# Altium PCB HV_Module_6W.PCBDOC (part 4 of 4) (continued)
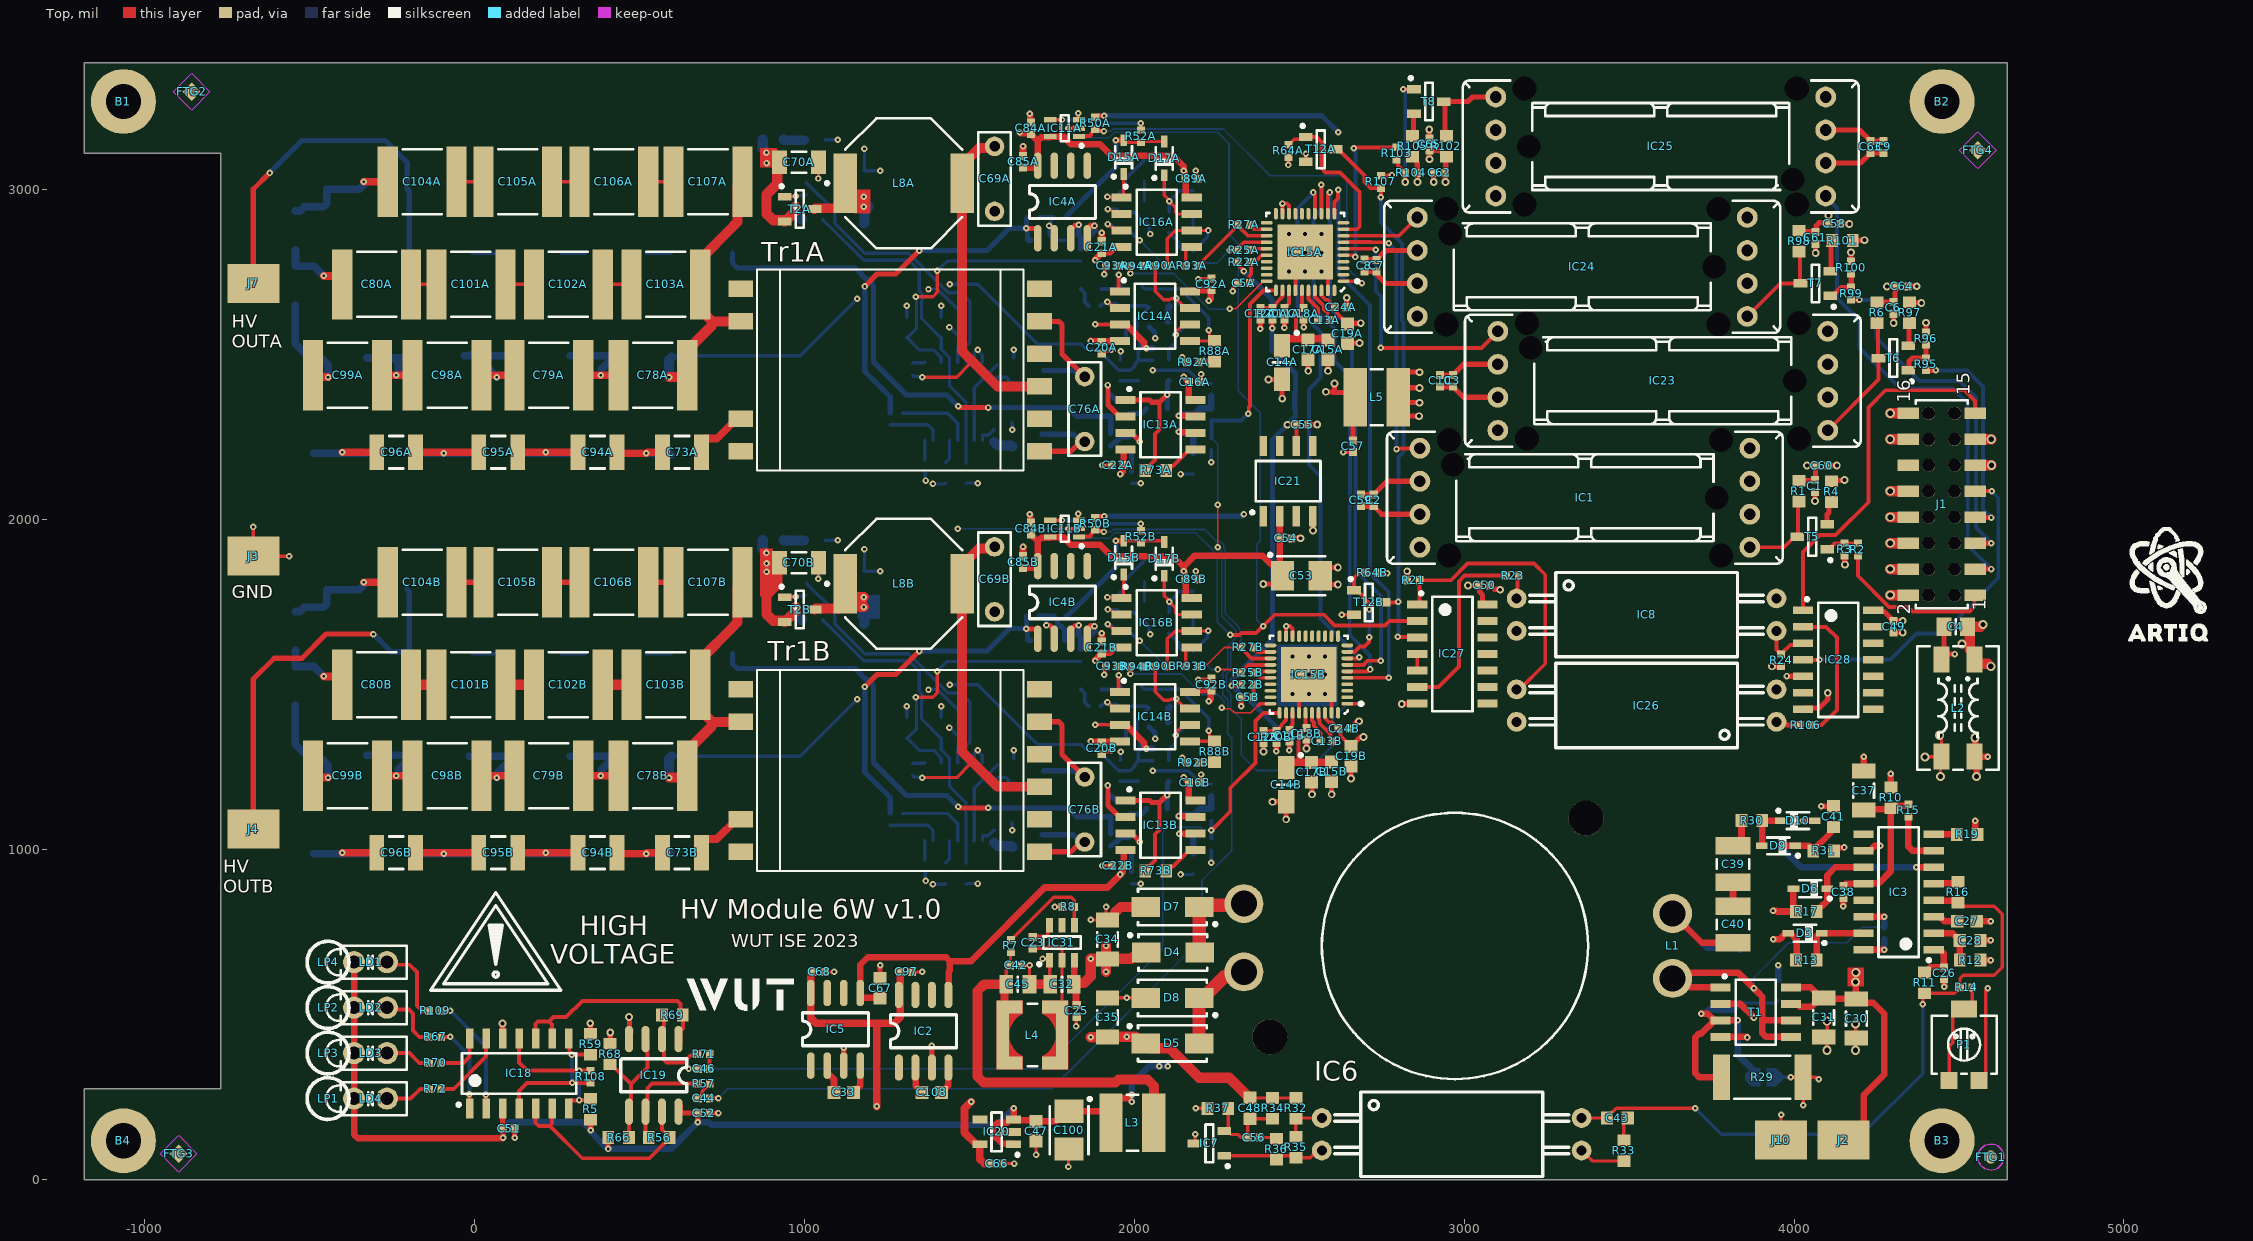
[diagram p0: Top view]
## Nets (pads, with @x,y where several pads share a name; then routed paths per layer and width w, separated by ;. In a path a pad name is that pad's centre, name@x,y a point inside that pad or via, vN(x,y) a via of type N, cw(c..) or ccw(c..) an arc to the next point about the centre after c; other vN are vias at no path point) (continued)
NetR75A_1: R75A.1 R77A.2 | length 72.8
  Bot w10: R75A.1@263.78,2808.07 R77A.2@336.61,2808.07
NetR75A_2: R75A.2 R76A.1 | length 84.6
  Bot w10: R76A.1@-5.91,2808.07 R75A.2@78.74,2808.07
NetR75B_1: R75B.1 R77B.2 | length 72.8
  Bot w10: R75B.1@263.78,1594.49 R77B.2@336.61,1594.49
NetR75B_2: R75B.2 R76B.1 | length 84.6
  Bot w10: R76B.1@-5.91,1594.49 R75B.2@78.74,1594.49
NetR77A_1: R77A.1 R81A.2 | length 75.9
  Bot w10: R77A.1@521.65,2808.07 R81A.2@597.52,2808.07
NetR77B_1: R77B.1 R81B.2 | length 75.9
  Bot w10: R77B.1@521.65,1594.49 R81B.2@597.52,1594.49
NetR79A_2: R79A.2 R82A.1 | length 60.8
  Bot w11.81: R79A.2@1838.58,2699.8 1850.39,2687.99 1850.39,2660.29 1861.42,2649.27 R82A.1@1861.42,2648.48
NetR79B_2: R79B.2 R82B.1 | length 60.8
  Bot w11.81: R79B.2@1838.58,1486.22 1850.39,1474.41 1850.39,1446.71 1861.42,1435.68 R82B.1@1861.42,1434.9
NetR83A_2: R83A.2 R86A.1 | length 48.1
  Bot w20: R86A.1@2102.61,2600.98 2103.11,2601.48 2103.11,2641.79 2106.17,2644.86 2106.17,2645.64 R83A.2@2107.59,2647.06
NetR83B_2: R83B.2 R86B.1 | length 48.1
  Bot w20: R86B.1@2102.61,1387.4 2103.11,1387.9 2103.11,1428.21 2106.17,1431.27 2106.17,1432.06 R83B.2@2107.59,1433.48
NetR88A_1: R88A.1 R92A.2 | length 48
  Top w19.68: R92A.2@2197.24,2477.56 2197.24,2478.02 2198.82,2479.59 R88A.1@2244.09,2479.59
NetR88B_1: R88B.1 R92B.2 | length 48
  Top w19.68: R92B.2@2197.24,1263.98 2197.24,1264.43 2198.82,1266.01 R88B.1@2244.09,1266.01
NetR91A_1: R91A.1 R111A.2 | length 51.9
  Bot w11.81: R111A.2@1974.93,2542.26 1974.93,2592.62 R91A.1@1975.98,2593.68
NetR91B_1: R91B.1 R111B.2 | length 51.9
  Bot w11.81: R111B.2@1974.93,1328.68 1974.93,1379.04 R91B.1@1975.98,1380.09
NetR95_1: R95.1 R96.2 T6.1 | length 124.5
  Top w15.75: T6.1@4346.46,2452.76 4346.46,2455.71 4348.43,2457.68 4348.43,2480.54 4357.65,2489.76 R95.1@4399.61,2489.76 R96.2@4399.61,2530.71
NetR97_2: R97.2 T6.2 | length 70.5
  Top w15.75: T6.2@4346.46,2527.56 4348.43,2529.53 4348.43,2594.49 R97.2@4350.39,2596.46
NetR99_1: R99.1 R100.2 T7.1 | length 115.2
  Top w15.75: T7.1@4110.24,2679.13 4118.11,2679.13 4143.31,2704.33 R99.1@4173.23,2704.33 R100.2@4173.23,2746.06
NetR101_2: R101.2 T7.2 | length 94.5
  Top w15.75: T7.2@4110.24,2753.94 4112.2,2755.91 4112.2,2843.23 R101.2@4115.34,2846.36
NetR103_1: R103.1 R104.2 T8.1 | length 390.9
  Top w11.81: R103.1@2795.28,3091.73 2796.06,3091.73 2799.61,3088.19 2799.61,3073.62 2821.26,3051.97 R104.2@2821.26,3051.18 2821.56,3050.88 2821.56,3023.87 v2(2821.85,3023.57) ; v3@2815.84,3305.07 T8.1@2842.85,3305.07
  Top w15.75: v3(2815.54,3304.77) v3@2815.84,3305.07
  Bot w11.81: v3(2815.54,3304.77) 2815.54,3302.64 2821.85,3296.33 v2(2821.85,3023.57)
NetR105_2: R105.2 T8.2 | length 69
  Top w15.75: R105.2@2844.49,3162.99 2846.46,3164.96 2846.46,3228.35 T8.2@2848.43,3230.31
P3V3: C1.2 C6.2 C9.2 C49.1 C58.2 C60.2 C61.2 C63.1 C64.2 IC8.4 IC25.6 IC28.14 J1.11 R1.2 R6.2 R98.2 | length 726
  Top w15.75: R1.2@4014.57,2118.28 4015.47,2119.18 4062.09,2119.18 C1.2@4062.99,2120.08 4064.96,2122.05 4064.96,2162.69 C60.2@4066.93,2164.66 4039.92,2164.66 v2(4039.62,2164.36) ; R98.2@4015.75,2875.98 4017.72,2874.02 4062.99,2874.02 C61.2@4064.96,2872.05 4067.3,2874.39 4067.3,2891.41 4076.53,2900.64 4104.87,2900.64 4104.87,2922.67 v2(4104.79,2922.75) ; IC25.6@4096.06,3181.5 4198.43,3181.5 C63.1@4232.28,3147.64 C9.2@4271.65,3147.64 ; IC28.14@4240.16,1725.79 4244.09,1721.85 4273.62,1721.85 C49.1@4301.97,1693.5 4302.26,1693.8 4329.28,1693.8 v2(4329.57,1694.1) ; R6.2@4251.97,2659.45 4252.25,2659.73 4301.09,2659.73 C6.2@4301.37,2660 4305.7,2664.33 C64.2@4305.7,2707.64 ; v2(4282,2707.34) 4282.29,2707.64 C64.2@4305.7,2707.64 ; C64.2@4309.3,2707.64 C64.2@4305.7,2707.64
  Top w31.5: J1.11@4548.79,2165.52 v4(4598.13,2165.52)
P3V3Ap: C19A.2 C19B.2 C24A.2 C24B.2 C57.2 IC15A.38 IC15B.38 L5.2 R50A.2 R50B.2 | length 2027.8
  Top w11.81: IC15A.38@2567.72,2695.51 2567.72,2679.61 2580.44,2666.89 2586.5,2666.89 C24A.2@2609.05,2644.33 2615.35,2638.03 2615.35,2625.21 C19A.2@2646.46,2594.11 C19A.2@2657.32,2604.97 ; IC15B.38@2578.74,1414.96 2578.74,1399.06 2591.46,1386.34 2600.16,1386.34 C24B.2@2618.91,1367.59 ; C24B.2@2619.08,1367.42 2625.38,1361.12 2625.38,1345.66 C19B.2@2657.48,1313.56
  Top w15.75: R50B.2@1882.32,2006.69 1885.85,2010.23 1908.7,2010.23 v1(1909.45,2010.98) ; R50A.2@1882.32,3220.28 1885.85,3223.81 1908.7,3223.81 v1(1909.45,3224.57) ; v2@2581.76,2387.25 2606.91,2387.25 2606.91,2412.4 v2(2607.53,2413.02) ; 2605.2,2386.02 2679.26,2386.02 L5.2@2680.06,2386.82 ; C19A.2@2659.64,2595.66 v2@2686.65,2595.66 ; C19B.2@2663.33,1313.56 2663.33,1319.41 2684.11,1340.18 2694.08,1340.18 v2(2695.59,1341.69) ; C57.2@2663.3,2240.36 2663.3,2364.29 L5.2@2670.28,2371.26 ; v2(2686.95,2595.95) v2@2686.95,2598.09
  L2 w15.75: v1(2333.07,2017.4) 2487.74,2017.4 ; v1(2619.09,3174.3) 2619.09,3144.6 2619.4,3144.29
  Bot w15.75: v1(1909.45,2010.98) 2325.59,2010.98 2332.01,2017.4 v1(2333.07,2017.4) ; v1(1909.45,3224.57) 2568.83,3224.57 v1(2619.09,3174.3)
  other v2: 2581.14,2387.87
P3V3p: C2.1 C3.1 C7.1 C8.2 C10.2 C50.1 C59.2 C62.2 C65.2 C66.2 C68.1 C97.1 IC1.6 IC2.8 IC5.8 IC20.5 IC23.6 IC24.6 IC26.4 IC27.14 L5.1 R102.2 R107.2 | length 3880
  Top w15.75: C59.2@2687.18,2041.34 C2.1@2726.38,2041.34 2750.79,2016.93 IC1.6@2866.14,2016.93 ; C8.2@2698.07,2752.95 2698.25,2752.77 2735.06,2752.77 C7.1@2735.24,2752.6 ; C7.1@2726.38,2752.6 2762.44,2716.54 IC24.6@2858.27,2716.54 ; R107.2@2748.03,3042.38 2778.93,3042.38 v3(2781.5,3044.94) ; 2837.41,2314.77 2862.56,2314.77 v2(2863.18,2314.15) ; 2838.89,2355.32 2864.04,2355.32 v2(2864.66,2354.7) ; 2839.19,2400.31 2864.34,2400.31 v2(2864.96,2399.69) ; 2839.19,2447.84 2864.34,2447.84 v2(2864.96,2447.22) ; v2(2894.98,3092.77) 2894.68,3093.07 C65.2@2894.68,3120.08 2925.03,3120.08 2934.25,3110.85 2934.25,3109.84 2944.09,3100 R102.2@2946.06,3100 2944.49,3098.43 2944.49,3052.76 C62.2@2942.91,3051.18 2943.21,3050.88 2943.21,3023.87 v2(2943.51,3023.57) ; C10.2@2927.2,2402.8 2927.57,2403.17 2965.77,2403.17 C3.1@2966.14,2403.54 2998.43,2371.26 IC23.6@3102.36,2371.26 ; v2(3011.81,1801.18) C50.1@3043.31,1801.18 3047.64,1796.85 3047.64,1781.1 3056.1,1772.64 3056.1,1747.64 3060.04,1743.7 IC27.14@3070.87,1743.7
  Top w23.62: C68.1@1027.56,629.92 1020.15,622.51 1020.15,565.98 IC5.8@1020.08,565.91 1020.08,490.01 1035.75,474.35 1220.02,474.35 ; v1(1219.79,222.24) 1220.02,222.48 1220.02,474.35 ; C97.1@1291.34,629.92 1291.34,492.51 1273.17,474.35 1220.02,474.35 ; v1(1505.91,236.22) 1486.22,216.54 1486.22,142.91 1521.65,107.48 IC20.5@1532.48,107.48 1532.48,63.05 1545.92,49.61 1565.55,49.61 C66.2@1565.94,49.21 ; L5.1@2800.2,2424.41 L5.1@2800.2,2371.26 2800.2,2364.3 L5.1@2823.82,2340.68
  L2 w23.62: v1(1219.79,222.24) 1491.93,222.24 v1(1505.91,236.22) 1567.83,298.15 2109.17,298.15 2165.35,354.33 2165.35,836.22 2262.59,933.46 2392.33,933.46
P5V0Ap: C16A.2 C16B.2 C47.2 C51.2 C52.2 C53.1 C54.2 C84A.2 C84B.2 C85A.2 C85B.2 C89A.2 C89B.2 C92A.2 C92B.2 C100.1 IC4A.8 IC4B.8 IC11A.5 IC11B.5 IC13A.8 IC13B.8 IC14A.8 IC14B.8 IC16A.8 IC16B.8 IC18.3 IC19.8 IC20.1 IC20.3 IC21.2 L3.2 LD1.2 LD2.2 LD3.2 LD4.2 R5.2 R66.2 | length 9160.5
  Top w15.75: IC18.3@86.34,215.75 86.74,215.35 86.74,155.12 C51.2@87.13,154.72 87.13,127.71 v3(87.43,127.42) ; R5.2@353.34,177.85 353.34,150.84 v3(353.64,150.54) ; R66.2@405.59,120.63 405.59,93.61 v3(405.89,93.32) ; IC19.8@624.73,227.56 624.73,205.61 628.37,201.97 C52.2@677.68,201.97 677.68,174.96 v3(677.98,174.66) ; v2(2391.36,1805.25) 2391.66,1805.55 C53.1@2418.43,1805.55
  Top w19.68: LD1.2@-364.17,659.45 LD2.2@-364.17,521.65 LD3.2@-364.17,383.86 LD4.2@-364.17,246.06 -364.17,137.52 -352.64,125.98 86,125.98 v3(87.43,127.42) ; IC20.1@1634.84,107.48 1632.87,109.45 1600.49,109.45 1572.53,137.41 1572.53,157.86 1586.99,172.32 1614.05,172.32 1622.05,180.32 1632.87,180.32 IC20.3@1634.84,182.29 ; v1(1634.84,216.54) IC20.3@1634.84,182.29 ; v1(1653.54,3174.3) 1656.19,3171.65 1684.84,3171.65 C84A.2@1687.2,3169.29 1708.07,3148.43 ; C85B.2@1663.39,1854.13 1706.08,1854.13 1708.07,1856.13 IC4B.8@1708.07,1859.76 1708.07,1934.84 ; C85A.2@1663.39,3067.72 1706.08,3067.72 1708.07,3069.71 IC4A.8@1708.07,3073.35 1708.07,3148.43 ; C84B.2@1687.2,1955.71 1708.07,1934.84 ; L3.2@1929.91,173.15 L3.2@1929.91,181.74 ; v1(1992.32,257.97) 1981.91,247.56 1955.5,247.56 1929.91,221.97 L3.2@1929.91,181.74 ; v1(2150.2,1219.53) 2150.35,1219.53 C16B.2@2165.94,1203.94 2165.94,1151.45 2167.94,1149.45 IC13B.8@2186.65,1149.45 ; v1(2150.2,2433.11) 2150.35,2433.11 C16A.2@2165.94,2417.52 2165.94,2365.03 2167.94,2363.03 IC13A.8@2186.65,2363.03 ; IC14B.8@2169.88,1478.54 2171.85,1480.51 2194.49,1480.51 2196.85,1482.87 C92B.2@2234.25,1482.87 2231.89,1480.51 2231.89,1455.72 v1(2226.78,1450.62) ; IC14A.8@2169.88,2692.13 2171.85,2694.09 2194.49,2694.09 2196.85,2696.46 C92A.2@2234.25,2696.46 2231.89,2694.09 2231.89,2669.31 v1(2226.78,2664.2) ; IC16B.8@2174.8,1762.99 2158.07,1762.99 2156.1,1764.96 C89B.2@2156.1,1819.88 2153.74,1822.24 2153.74,1840.99 v1(2150.2,1844.54) 2150.2,1857.71 ; IC16A.8@2174.8,2976.57 2158.07,2976.57 2156.1,2978.54 C89A.2@2156.1,3033.46 2153.74,3035.83 2153.74,3054.57 v1(2150.2,3058.12) 2150.2,3071.29 2118.34,3103.15 1931.31,3103.15 1895.76,3138.7 1808.03,3138.7 1799.33,3147.4 1799.33,3148.31 1786.22,3161.42 IC11A.5@1746.26,3161.42 1744.29,3159.45 1719.09,3159.45 1708.07,3148.43 ; IC21.2@2441.63,2010.87 C54.2@2441.63,1943.96 C53.1@2441.63,1847.55 ; C53.1@2449.61,1830.71 2449.61,1839.57 C53.1@2441.63,1847.55 ; IC20.3@1634.84,182.29 1636.81,180.32 1699.6,180.32 C47.2@1702.76,177.17 1763.85,177.17 1794.02,207.33 C100.1@1802.88,207.33 1904.32,207.33 L3.2@1929.91,181.74 ; 1708.07,1934.84 1719.09,1945.87 1744.29,1945.87 IC11B.5@1746.26,1947.83 1786.22,1947.83 1799.33,1934.72 1799.33,1933.81 1808.03,1925.12 1895.76,1925.12 1931.31,1889.57 2118.34,1889.57 2150.2,1857.71 ; 2150.2,1857.71 2184.22,1891.73 2388.58,1891.73 2415.16,1865.16 2424.02,1865.16 C53.1@2441.63,1847.55
  L2 w19.68: v1(2076.77,344.49) v1(2101.59,344.49) 2126.49,369.38 2126.49,866.65 2175.2,915.35 2175.2,1148.86 2150.2,1173.86 v1(2150.2,1219.53) 2150.2,1226.65 2165.35,1241.81 2165.35,1243.12 2199.88,1277.64 2199.88,1338 2187.2,1350.67 2187.2,1411.04 v1@2226.38,1450.21 ; v1(2150.2,3058.12) 2150.2,3015.77 2165.35,3000.61 2165.35,2723.94 2197.85,2691.45 2198.72,2691.45 v1@2226.38,2663.79 ; v1(2226.78,1450.62) v1@2226.38,1450.21 ; v1(2226.78,2664.2) v1@2226.38,2663.79 ; v1@2226.38,1450.21 2198.72,1477.87 2197.85,1477.87 2165.35,1510.36 2165.35,1787.03 2150.2,1802.19 v1(2150.2,1844.54) 2150.2,2044.85 2187.2,2081.86 2187.2,2396.1 v1(2150.2,2433.11) 2150.2,2440.24 2165.35,2455.39 2165.35,2456.7 2187.2,2478.55 2187.2,2624.62 v1@2226.38,2663.79
  Bot w19.68: v3(87.43,127.42) 87.43,156.1 105.99,174.66 329.52,174.66 v3(353.64,150.54) 353.64,145.57 v3(405.89,93.32) 596.64,93.32 v3(677.98,174.66) 711.17,174.66 718.5,167.32 1581.99,167.32 1586.99,172.32 1590.63,172.32 v1(1634.84,216.54) ; v1(1992.32,236.22) 1992.32,290.9 2045.91,344.49 v1(2101.59,344.49)
P5V0p: C42.2 C45.2 L3.1 L4.2 R7.2 | length 1281.2
  Top w10: C45.2@1612.2,592.52 1612.2,637.8 C42.2@1624.02,649.61 1625.22,650.81 1625.22,688.95 R7.2@1626.43,690.16
  Top w23.62: L4.2@1602.36,438.71 1607.28,443.63 1607.28,587.6 C45.2@1612.2,592.52
  Top w30: C45.2@1612.2,592.52 1545.92,592.52 1525.59,572.19 1525.59,312.53 1543.16,294.96 1943.67,294.96 1953.06,304.35 2040.14,304.35 2059.83,284.65 L3.1@2059.83,173.15
P12V0: C4.2 J1.6 J1.8 J1.10 L2.1 | length 357.8
  Top w31.5: v4(4291.77,1929.3) J1.6@4346.03,1929.3 ; v4(4291.77,2008.04) J1.8@4346.03,2008.04 ; v4(4291.77,2086.78) J1.10@4346.03,2086.78 ; v4@4565.13,1675.79 C4.2@4525.59,1675.79 4532.48,1668.9 4532.48,1607.68 4547.05,1593.11 L2.1@4547.05,1577.36 4547.05,1572.05 4554.92,1564.17 v4@4586.61,1564.17
  other v4: 4596.46,1556 4509.45,1624.02 4573.19,1683.07
P12V0c: C30.1 C31.1 J2.1 L2.4 R10.2 T1.7 T1.8 | length 1116.2
  Top w20: T1.7@3990.32,532.87 4009.02,532.87 4017.78,524.11 4052.58,524.11 4064.3,535.83 4064.3,538.35 C31.1@4076.94,550.98 ; T1.8@3990.32,582.87 4050.83,582.87 4064.3,569.41 4064.3,563.62 C31.1@4076.94,550.98 ; C31.1@4089.73,550.98 C31.1@4076.94,550.98 ; C31.1@4091.6,549.11 C30.1@4187.27,549.11 ; J2.1@4149.77,120.08 4161.94,120.08 4210.99,169.13 4210.99,255.91 4273.62,318.53 4273.62,503.14 4240.16,536.6 4199.79,536.6 C30.1@4189.14,547.24 C30.1@4187.27,549.11 ; v4(4186.58,599.21) 4187.27,598.52 C30.1@4187.27,549.11 ; R10.2@4293.64,1188.98 v1(4293.64,1230.31) ; L2.4@4545.31,1283.83 L2.4@4547.05,1282.09 ; v4@4548.79,1340.85 4548.79,1283.83 L2.4@4547.05,1282.09 ; v4@4553.31,1223.09 4553.31,1275.82 L2.4@4547.05,1282.09 ; v1(4586.61,1282.09) L2.4@4547.05,1282.09
  other v4: 4187.27,627.95 4552.63,1221.91 4548.1,1339.66
P12V0p: C25.2 C32.2 C34.1 C35.1 C48.2 C70A.1 C70B.1 D4.1 D5.1 IC31.3 R32.2 R34.2 R38A.1 R38B.1 R110A.2 R110B.2 T2A.2 T2B.2 | length 2090.3
  Top w10: C48.2@2350.72,248.03 R34.2@2419.62,248.03 R32.2@2490.16,248.03
  Top w20: IC31.3@1818.9,665.35 1818.07,664.53 1818.07,593.66 C32.2@1816.93,592.52 1823.98,585.46 1823.98,531.73 C25.2@1826.19,529.53
  Top w31.5: v1(885.83,1899.61) 895.67,1889.76 918.31,1889.76 925.2,1882.87 C70B.1@925.2,1870.08 918.31,1863.19 918.31,1804.31 885.83,1771.83 885.83,1714.56 895.69,1704.7 905.7,1694.69 937.43,1694.69 T2B.2@941.37,1690.75 ; v1(885.83,3113.19) 895.67,3103.35 918.31,3103.35 925.2,3096.46 C70A.1@925.2,3083.66 918.31,3076.77 918.31,3017.89 885.83,2985.41 885.83,2928.14 895.69,2918.28 905.7,2908.27 937.43,2908.27 T2A.2@941.37,2904.33 ; T2B.2@946.29,1694.69 974.41,1722.8 v1(974.41,1735.7) ; T2A.2@946.29,2908.27 974.41,2936.39 v1(974.41,2949.28) ; C32.2@1816.93,592.52 1820.87,596.46 1849.29,596.46 1869.07,616.23 v1(1869.07,669.29) C34.1@1919.29,669.29 ; v1(1869.07,431.98) 1918.2,431.98 C35.1@1919.29,433.07 v1(1978.35,433.07) 2002.95,433.07 2022.64,413.39 D5.1@2035.43,413.39 2050.2,398.62 2108.45,398.62 2197.66,309.42 2288.35,309.42 2349.74,248.03 C48.2@2350.72,248.03 ; v1(1914.96,629.92) 1914.96,664.96 C34.1@1919.29,669.29 ; v1(1914.96,708.66) 1914.96,673.62 C34.1@1919.29,669.29 ; D4.1@2037.11,688.98 2022.34,674.21 1996.02,674.21 1991.1,669.29 C34.1@1919.29,669.29
  Bot w31.5: R110B.2@874.02,1938.98 875,1937.99 875,1910.43 v1(885.83,1899.61) ; R110A.2@874.02,3152.56 875,3151.57 875,3124.02 v1(885.83,3113.19) ; v1(974.41,1735.7) 974.41,1718.31 993.11,1699.61 R38B.1@993.11,1697.64 ; v1(974.41,2949.28) 974.41,2931.89 993.11,2913.19 R38A.1@993.11,2911.22
  other v1: 886.01,1842.17 886.01,1867.71 886.01,3081.3
REFIN: C55.2 IC21.6 R20A.2 R20B.2 R22A.2 R22B.2 | length 1871.2
  Top w11.81: R22A.2@2314.17,2781.14 2319.68,2775.63 2319.68,2768.47 2333.07,2755.08 v1(2333.07,2752.95) ; IC21.6@2491.63,2223.47 2491.91,2223.76 2491.91,2288.16 C55.2@2492.2,2288.45
  Top w15.75: v3(2296.24,1497.31) 2296.99,1498.07 2321.65,1498.07 2321.65,1499.21 R22B.2@2324.02,1501.57 ; R20A.2@2418.01,2608.38 2418.01,2581.37 v3(2418.31,2581.07) ; v3(2431.06,1298.23) R20B.2@2431.1,1323.23 ; v2(2464.89,2288.15) 2465.19,2288.45 C55.2@2492.2,2288.45
  Bot w15.75: v1(2333.07,2752.95) 2418.31,2667.72 v3(2418.31,2581.07) 2418.31,2514.29 2489.53,2443.07 2489.53,2389.94 2486.68,2387.09 2486.68,2333.96 2489.53,2331.11 2489.53,2313.63 2464.89,2288.99 v2(2464.89,2288.15) 2419.62,2242.88 2419.62,1637.67 2296.99,1515.04 2296.99,1498.07 v3(2296.24,1497.31) 2325.94,1467.61 2336.13,1467.61 2431.06,1372.68 v3@2431.06,1302.17
SCKI: J1.7 R95.2 | length 628.7
  Top w15.75: R95.2@4399.61,2452.76 v3(4429.13,2452.76) ; J1.7@4570.87,2006.69 4597.88,2006.69 v3(4598.18,2006.99)
  Bot w11.81: v3(4429.13,2452.76) 4524.61,2452.76 4573.19,2404.17 4573.19,2031.97 v3(4598.18,2006.99)
SCKI_ISOL: IC15A.6 IC23.8 | length 777.9
  Top w11.81: IC15A.6@2634.65,2821.49 2724.12,2821.49 2725.21,2820.4 2730.78,2820.4 v3(2732.28,2818.9) ; v1(2748.03,2521.26) 3052.36,2521.26 IC23.8@3102.36,2571.26
  Bot w11.81: v3(2732.28,2818.9) 2732.28,2692.66 2748.03,2676.92 v1(2748.03,2521.26)
SDI: J1.1 R2.2 | length 501.4
  Top w11.81: R2.2@4193.39,1891.4 4193.39,1830.4 4287.57,1736.22 4344.74,1736.22 4359.11,1721.85 4531.89,1721.85 4546.26,1736.22 4546.26,1769.29 J1.1@4548.79,1771.82
SDI_ISOL: IC1.8 IC15A.7 | length 844.1
  Top w11.81: IC15A.7@2634.65,2841.18 2649.73,2841.18 2650.16,2841.61 2717.26,2841.61 2717.69,2841.18 2763.49,2841.18 2764.58,2840.09 2770.15,2840.09 v3(2771.65,2838.58) ; v1(2795.27,2214.56) 2796.45,2215.75 2864.96,2215.75 IC1.8@2866.14,2216.93
  Bot w11.81: v3(2771.65,2838.58) 2795.27,2814.97 v1(2795.27,2214.56)
SDO: IC25.8 J1.3 | length 1460
  Top w15.75: J1.3@4570.87,1850.56 4597.88,1850.56 v3(4598.18,1850.86)
  Bot w11.81: IC25.8@4096.06,2981.5 4096.06,2979.11 4129.67,2945.51 4129.67,2672.49 4198.43,2603.74 4198.43,2521.06 4321.85,2397.64 4482.28,2397.64 4526.57,2353.35 4526.57,1922.46 v3(4598.18,1850.86)
SDO_ISOL: IC15A.5 R103.2 | length 500.5
  Top w11.81: IC15A.5@2634.65,2801.81 2663.3,2801.81 2668.42,2796.69 v3(2670.55,2796.69) ; v3(2665.4,3126.03) 2667.54,3126.03 2670.24,3128.74 R103.2@2795.28,3128.74
  Bot w11.81: v3(2665.4,3126.03) 2665.4,3123.9 2670.55,3118.76 v3(2670.55,2796.69)
U_meas1: C44.2 C88A.2 IC15A.31 R80A.1 | length 3910.1
  Top w5: v1(2253.94,1916.93) v1(2253.94,2045.31)
  Top w11.81: C44.2@713.12,246.75 v3@740.13,246.75 ; v1(2345.95,2321.9) 2347.45,2323.41 2347.45,2341.55 2351.18,2345.28 2351.18,2654.08 2392.61,2695.51 IC15A.31@2429.92,2695.51
  Top w15.75: v3@740.13,246.75 v3(740.43,247.05)
  Bot w5: v3(740.43,247.05) 768.97,275.59 1750.62,275.59 2205.92,730.89 2205.92,906.96 2296.24,997.27 2296.24,1338.76 2283.46,1351.53 2283.46,1455.04 2268.89,1469.61 2268.89,1536.16 2283.46,1550.73 2283.46,1617.28 2308.84,1642.66 2308.84,1664.26 2291.5,1681.6 2291.5,1682.94 2266.12,1708.32 2266.12,1904.74 v1(2253.94,1916.93) ; C88A.2@2234.25,2247.86 2253.96,2228.16 v1(2253.94,2045.31)
  Bot w11.81: C88A.2@2234.25,2247.86 R80A.1@2234.25,2300.79 2324.83,2300.79 v1(2345.95,2321.9)
U_meas2: C46.2 C88B.2 IC15B.31 R80B.1 | length 2649.4
  Top w11.81: v3@650.67,336.32 C46.2@677.68,336.32 ; v1(2234.25,1059.06) 2291.5,1116.3 2291.5,1186.73 2367.72,1262.95 2367.72,1390.35 2392.33,1414.96 IC15B.31@2440.94,1414.96
  Top w15.75: v3(650.37,336.02) v3@650.67,336.32
  Bot w5: v3(650.37,336.02) 1723.82,336.02 2086.34,698.55 2086.34,1052.68 2101.59,1067.93 2201.53,1067.93 2210.41,1059.06 v1(2234.25,1059.06)
  Bot w11.81: R80B.1@2233.66,1086.61 R80B.1@2234.25,1087.2 v1(2234.25,1059.06) C88B.2@2234.25,1034.28
V1F: LD2.1 R67.1 | length 194.3
  Top w11.81: LD2.1@-264.17,521.65 -258.26,515.74 -197.63,515.74 -185.06,503.17 -185.06,451.8 -166.34,433.07 R67.1@-136.61,433.07
V1R: LD1.1 R109.1 | length 254.8
  Top w11.81: LD1.1@-264.17,659.45 -256.2,651.47 -195.57,651.47 -173.23,629.13 -173.23,528.54 -154.53,509.84 -138.58,509.84 R109.1@-136.61,511.81 R109.1@-140.54,515.74
V2F: LD4.1 R72.1 | length 139.8
  Top w11.81: LD4.1@-264.17,246.06 -192.91,246.06 -163.39,275.59 R72.1@-136.61,275.59
V2R: LD3.1 R70.1 | length 139.8
  Top w11.81: LD3.1@-264.17,383.86 -195.87,383.86 -166.34,354.33 R70.1@-136.61,354.33
pads on no net: B1.1 B2.1 B3.1 B4.1 FTG1.FTG2 FTG2.1 FTG3.1 FTG4.1 IC1.9 IC1.10 IC1.11 IC1.12 IC1.13 IC1.14 IC2.1 IC2.6 IC2.7 IC3.9 IC3.13 IC4A.5 IC4A.6 IC4A.7 IC4B.5 IC4B.6 IC4B.7 IC5.1 IC5.6 IC5.7 IC10A.6 IC10A.10 IC10B.6 IC10B.10 IC15A.2 IC15A.3 IC15A.4 IC15A.10 IC15A.15 IC15A.16 IC15A.17 IC15A.20 IC15A.21 IC15A.27 IC15A.28 IC15A.29 IC15A.40 IC15B.2 IC15B.3 IC15B.4 IC15B.10 IC15B.15 IC15B.16 IC15B.17 IC15B.20 IC15B.21 IC15B.27 IC15B.28 IC15B.29 IC15B.40 IC20.4 IC21.1 IC21.3 IC21.5 IC21.7 IC21.8 IC23.9 IC23.10 IC23.11 IC23.12 IC23.13 IC23.14 IC24.9 IC24.10 IC24.11 IC24.12 IC24.13 IC24.14 IC25.9 IC25.10 IC25.11 IC25.12 IC25.13 IC25.14 IC27.8 IC27.9 IC27.10 IC27.11 IC27.12 IC27.13 IC28.6 IC28.8 IC28.9 IC28.10 IC28.11 IC28.12 IC28.13 IC31.5 J1.12 J1.M1 J1.M2 J1.M3 J1.M4 J1.M5 J1.M6 J1.M7 J1.M8 J1.M9 J1.M10 J1.M11 J1.M12 J1.M13 J1.M14 J1.M15 J1.M16 Tr1A.2 Tr1A.4 Tr1A.6 Tr1A.7 Tr1A.10 Tr1B.2 Tr1B.4 Tr1B.6 Tr1B.7 Tr1B.10

## Polygon pours and split planes (outlines as drawn)
P3V3p on L2 "P3V3P_L02_P006" (solid, remove dead copper, pour order 6): 3287.4,3386.14 3287.4,1496.06 2590.55,799.21 2372.05,799.21 2372.05,1201.14 2815.54,1599.92 2815.54,2956.11 2732.28,3039.37 2732.28,3110.24 2685.04,3157.48 2685.04,3385.82
P12V0c on L2 "NONET_L-01_P-001" (solid, pour order 14): 4625.98,1368.11 4625.98,1240.16 4330.71,944.88 4330.71,620.08 4192.4,481.77 3984,481.77 3929.48,536.29 3929.48,615.31 4157.67,843.49 4157.67,1240.53 4285.25,1368.11
P3V3 on L2 "P3V3_L02_P009" (solid, remove dead copper, pour order 9): 3602.11,3386.17 4645.41,3386.17 4645.41,1419.8 3602.11,1419.8
P12V0 on L2 "P12V0_L02_P004" (solid, pour order 4): 4251.97,2120.38 4251.97,1776.9 4501.31,1527.56 4645.41,1527.56 4645.41,1830.71 4411.86,1830.71 4375.94,1866.63 4375.94,2120.38
P3V3Ap on L2 "P3V3AP_L02_P005" (solid, remove dead copper, pour order 5): 2559.44,1324.32 2727.86,1324.32 2815.54,1412 2815.54,2956.11 2732.28,3039.37 2732.28,3110.24 2685.04,3157.48 2594.49,3157.48 2440.94,3003.94 2440.94,2629.92 2471.28,2599.58 2471.28,1412.47
P12V0p on L2 "NONET_L-01_P-001" (solid, pour order 12): 856.3,3090.55 1072.83,3090.55 1141.73,3021.65 1141.73,872.05 1275.59,738.19 2086.61,738.19 2086.61,344.49 856.3,344.49
GNDp on L3 "NONET_L-01_P-001" (solid, pour order 13): 856.3,620.08 767.72,531.5 29.23,531.5 -9.84,492.42 -9.84,88.58 68.9,9.84 2517.72,9.84 2527.56,19.68 2527.56,943.86 2956.72,1373.02 3204.49,1373.02 3272.68,1441.21 3272.68,3385.83 925.2,3385.83 856.3,3316.93
GNDp on L3 "NONET_L-01_P-001" (solid, pour order 16): -698.82,2037.4 -698.82,1889.76 -649.61,1840.55 -531.5,1840.55 -383.86,1988.19 885.14,1988.19 885.83,1987.5 890.77,1992.44 890.77,2076.77 -659.45,2076.77
GNDc on L3 "NONET_L-01_P-001" (solid, pour order 15): 4606.3,1328.74 4625.98,1309.06 4625.98,344.49 4330.71,49.21 3316.93,49.21 3297.24,68.9 3297.24,226.38 3316.93,246.06 3651.57,246.06 3700.79,295.28 3700.79,1029.87 3870.98,1200.07 3870.98,1328.74
GND on L3 "GND_L03_P000" (solid, remove dead copper, pour order 0): 3602.36,3385.83 4645.67,3385.83 4645.67,1348.43 3602.36,1348.43
GNDp on L3 "GNDP_L03_P011" (solid, remove dead copper, pour order 11): 2238.19,6858.27 2238.19,10244.44 5013.78,10244.44 5013.78,6858.27

## Keep-outs
L2:
  rectangle: -787.4,0 -738.19,3385.83
  lines w15.75: 2527.56,7.87 2512.26,23.17 2512.26,928.57 2956.66,1372.96 3110.49,1372.96 ; 2972.44,0 2972.44,824.21 3132.48,984.25 3612.4,984.25 3844.87,1216.72 3844.87,1407.5 ; 3204.49,1373.02 3272.68,1441.21 3272.68,3385.83 ; 3700.79,3385.83 3700.79,1551.59 3849.44,1402.94 ; 4251.97,3385.83 4251.97,3188.98 4370.08,3070.87 4645.67,3070.87 ; 2972.44,815.59 2972.44,815.59
L3:
  region: -787.4,3385.83 -738.19,3385.83 -738.19,0 -787.4,0
  lines w15.75: 2527.56,7.87 2517.72,17.72 2517.72,934.02 2956.66,1372.96 3110.49,1372.96 ; 2972.44,0 2972.44,824.21 3132.48,984.25 3617.79,984.25 3849.44,1215.9 3849.44,1402.94 3700.79,1551.59 3700.79,3385.83 ; 3204.49,1373.02 3272.68,1441.21 3272.68,3385.83 ; 4251.97,3386.17 4251.97,3188.8 4368.92,3071.85 4645.41,3071.85

## Other copper
Top:
  rectangle net P12V0c: 4161.94,584.96 4212.61,643.7
  rectangle net P12V0p: 866.14,3067.72 918.31,3126.33
  rectangle net NetD11A_1: 1151.48,2928.14 1200.79,3000.92
  rectangle net P12V0p: 866.14,1767.38 905.7,1912.75
  rectangle net NetD11B_1: 1133.97,1721.46 1190.94,1775.08
L2:
  rectangle net P5V0Ap: 1978.35,226.38 2007.87,265.75
Bot:
  rectangle net NetD11B_1: 1161.42,1699.93 1230.31,1771.46
  rectangle net GNDp: 2433.07,1434.9 2617.47,1622.05

## Silkscreen, mask and mechanical layers (free items; w line width, h text height)
TopOverlay:
  drawing of 1206 lines, arcs and shapes, not listed
  text "HV / OUTA" at -734.95,2522.08 h40
  text "GND" at -734.95,1761.81 h40
  text "HV / OUTB" at -759.84,870.08 h40
  text "HV Module 6W v1.0" at 625,791.14 h59.06
  text "HIGH" at 319.3,740.59 h59.06
  text "WUT ISE 2023" at 778.54,704.53 h40
  text "VOLTAGE" at 230.16,653.99 h59.06
Mechanical1:
  lines w5.91: -1181.1,0 4566.93,0 4645.67,0 4645.67,3385.83 -1181.1,3385.83 -1181.1,3110.24 -767.72,3110.24 -767.72,275.59 -1181.1,275.59 -1181.1,29.53 -1181.1,0
Mechanical4:
  lines w5.91: -474.17,-834.42 -474.17,4218.97
  lines w11.81: -1317.12,2.9 -1316.69,2.47 ; -185.5,-58.59 -135.59,-58.59 ; -135.59,-111.68 -135.59,-58.59 ; -135.59,2.47 -135.59,-58.59 ; -62.5,-58.59 -135.59,-58.59
DrillDrawing:
  drawing of 295 lines, arcs and shapes, not listed
  text "Layer" at 5572.83,6723.58 h60
  text "Name" at 5982.74,6723.58 h60
  text "Material" at 6852.51,6723.58 h60
  text "Thickness" at 7712.27,6723.58 h60
  text "Constant" at 8362.11,6723.58 h60
  text "Board Layer Stack" at 8931.97,6723.58 h60
  text "TopOverlay" at 5982.74,6603.58 h60
  text "TopSolder" at 5982.74,6483.58 h60
  text "Solder Resist" at 6852.51,6483.58 h60
  text "0.010mm" at 7712.27,6483.58 h60
  text "3.5" at 8362.11,6483.58 h60
  text "1" at 5572.83,6363.58 h60
  text "Top" at 5982.74,6363.58 h60
  text "0.035mm" at 7712.27,6363.58 h60
  text "Dielectric1" at 5982.74,6243.58 h60
  text "FR-4" at 6852.51,6243.58 h60
  text "0.180mm" at 7712.27,6243.58 h60
  text "4.2" at 8362.11,6243.58 h60
  text "2" at 5572.83,6123.58 h60
  text "L2" at 5982.74,6123.58 h60
  text "0.035mm" at 7712.27,6123.58 h60
  text "Dielectric 3" at 5982.74,6003.58 h60
  text "FR-4" at 6852.51,6003.58 h60
  text "1.100mm" at 7712.27,6003.58 h60
  text "4.2" at 8362.11,6003.58 h60
  text "3" at 5572.83,5883.58 h60
  text "L3" at 5982.74,5883.58 h60
  text "0.035mm" at 7712.27,5883.58 h60
  text "Dielectric2" at 5982.74,5763.58 h60
  text "FR-4" at 6852.51,5763.58 h60
  text "0.180mm" at 7712.27,5763.58 h60
  text "4.2" at 8362.11,5763.58 h60
  text "4" at 5572.83,5643.58 h60
  text "Bot" at 5982.74,5643.58 h60
  text "0.035mm" at 7712.27,5643.58 h60
  text "BottomSolder" at 5982.74,5523.58 h60
  text "Solder Resist" at 6852.51,5523.58 h60
  text "0.010mm" at 7712.27,5523.58 h60
  text "3.5" at 8362.11,5523.58 h60
  text "BottomOverlay" at 5982.74,5403.58 h60

## Text inside footprints (layer, text, board x,y; h text height)
J1: TopOverlay "16" at 4352.92,2354.5 h39.37 r90; TopOverlay "15" at 4532.61,2378.28 h39.37 r90; TopOverlay "2" at 4352.92,1712.76 h39.37 r90; TopOverlay "1" at 4581.27,1724.57 h39.37 r90
L1: Bottom 3D Body "Pitch 5mm min." at 4744.09,984.25 h48 r270
L9: Top 3D Body "Pitch 5mm min." at 1200.79,994.09 h48 r90